# Allegro board FEE5_10_30.brd (continued)
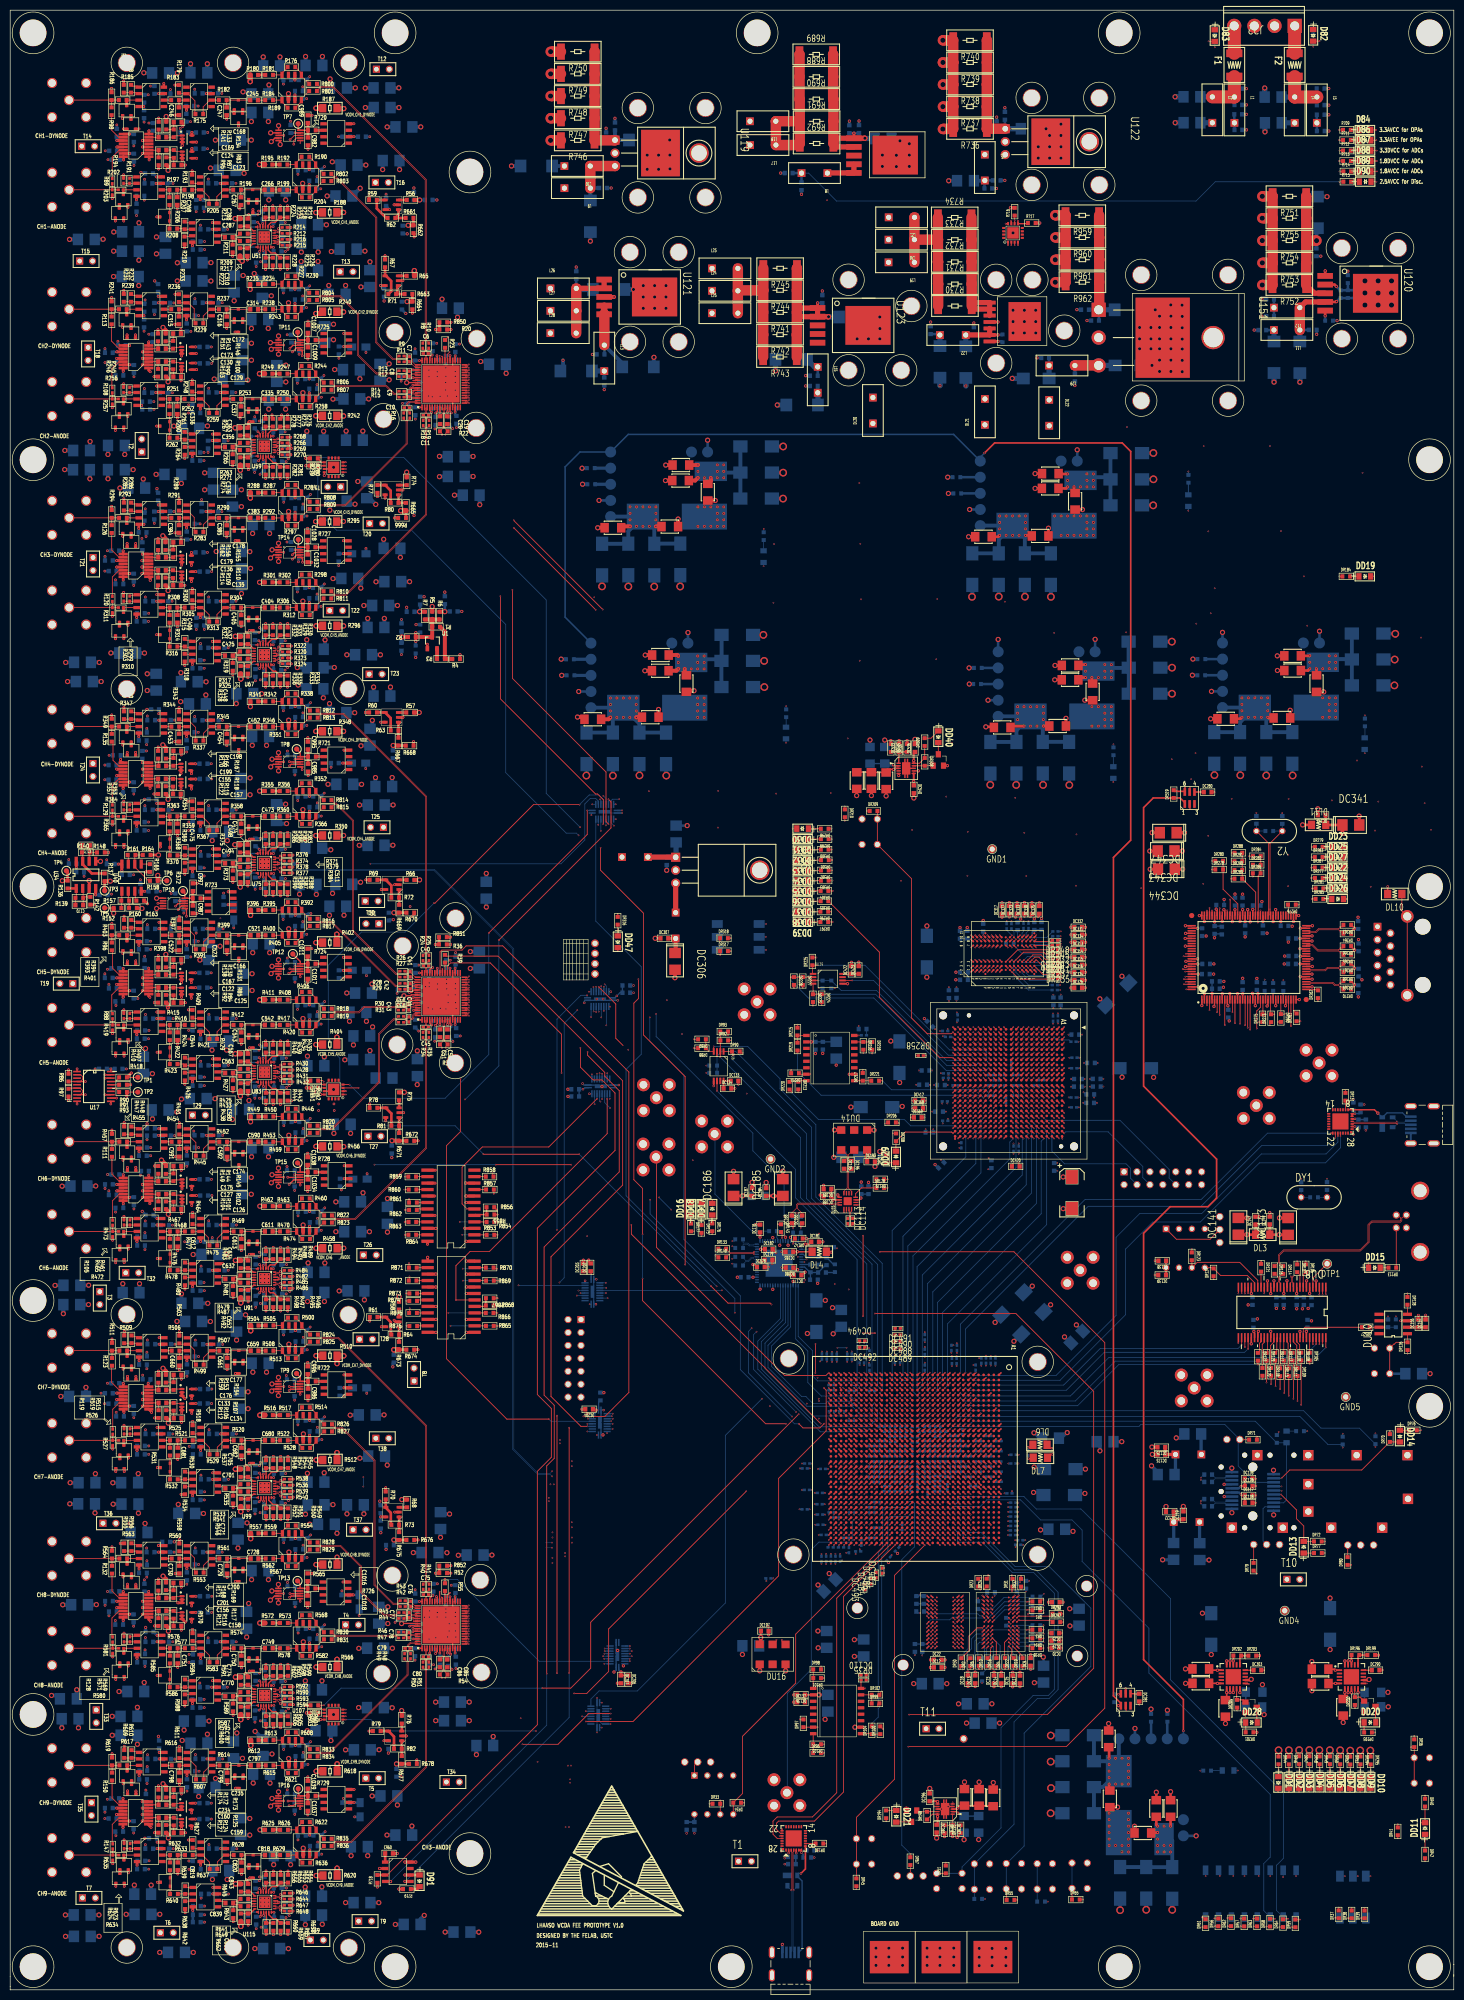
[diagram p0: board, top side]
## Footprints (pads in the part's own frame, mm; a bottom-side part is the same pattern mirrored in y, then rotated) (continued)
XO75L
  rect 1.6x1.499 smd: 1(-2.54,-1.956) 2(0,-1.956) 3(2.54,-1.956) 4(2.54,1.956) 5(0,1.956) 6(-2.54,1.956)
XTAL2-200A
  round 1.27 hole 0.813: 1(-2.54,0) 2(2.54,0)

## Nets
-5.2V: C924.2 C925.2 C928.2 L11.1 L12.1 R695.1 R696.1 U120.4(VOUT)
A7VCCADC: DC543.1 DC544.1 DL7.1 DU4.T18(VCCADC_0)
GND: C2.1 C3.1 C4.1 C5.1 C12.1 C15.1 C16.2 C17.2 C18.1 C21.2 C22.2 C23.1 C24.1 C25.1 C26.1 C27.1 C28.1 C29.1 C30.1 C31.1 C32.1 C33.1 C34.1 C35.1 C36.1 C37.2 C38.2 C39.2 C46.1 C49.1 C52.2 C53.2 C54.1 C55.2 C56.2 C57.1 C58.1 C59.1 C60.1 C61.1 C62.1 C63.1 C64.1 C65.1 C66.1 C67.1 C68.1 C69.1 C70.1 C71.2 C72.2 C73.2 C74.2 C81.1 C84.1 C87.2 C88.2 C89.1 C90.2 C91.2 C92.1 C93.1 C94.1 C95.1 C96.1 C97.1 C98.1 C99.1 C100.1 C101.1 C102.1 C103.1 C104.1 C105.1 C106.2 C107.2 C108.2 C109.2 C110.1 C111.1 C112.1 C113.1 C114.1 C115.1 C116.1 C117.1 C118.1 C119.1 C120.1 C121.1 C123.2 C125.2 C126.2 C128.2 C129.2 C131.2 C132.1 C134.2 C135.2 C137.1 C138.1 C139.1 C140.1 C141.1 C142.1 C143.1 C144.1 C145.1 C146.1 C147.1 C148.1 C149.1 C150.1 C151.1 C152.1 C153.1 C154.1 C157.2 C158.2 C159.2 C161.2 C162.2 C163.2 C164.1 C165.1 C166.2 C168.2 C172.2 C174.2 C177.2 C178.2 C180.1 C181.1 C182.1 C183.1 C184.1 C185.1 C186.1 C187.1 C188.1 C189.1 C190.1 C191.1 C192.1 C193.1 C194.1 C195.1 C196.1 C197.1 C198.2 C200.2 C202.1 C203.1 C204.1 C205.1 C206.1 C207.1 C208.1 C209.1 C210.1 C211.1 C212.1 C213.1 C215.1 C216.1 C217.1 C218.1 C219.1 C220.2 C221.2 C222.2 C223.1 C224.1 C225.1 C226.1 C227.1 C228.1 C229.1 C230.1 C231.1 C232.1 C233.1 C235.2 C236.1 C237.1 C238.1 C239.1 C240.1 C241.1 C242.1 C243.1 C244.1 C246.2 C247.2 C248.2 C249.2 C251.2 C252.2 C253.2 C255.2 C257.2 C258.2 C259.1 C260.2 C261.2 C263.2 C264.2 C267.2 C268.2 C269.2 C270.2 C272.2 C273.2 C275.2 C276.2 C278.2 C279.2 C281.2 C282.2 C284.2 C285.2 C288.1 C289.2 C291.2 C292.2 C293.2 C295.2 C296.2 C298.2 C299.2 C301.2 C302.2 C303.2 C304.2 C310.1 C311.2 C315.2 C316.2 C317.2 C318.2 C319.2 C320.2 C321.2 C322.2 C323.2 C324.2 C325.2 C326.2 C327.2 C328.2 C329.2 C330.1 C331.2 C332.2 C333.1 C334.1 C336.2 C337.2 C338.2 C339.2 C340.2 C341.2 C342.2 C343.2 C344.2 C345.2 C346.1 C347.2 C348.2 C349.1 C350.2 C351.2 C352.2 C353.2 C354.2 C355.1 C357.2 C358.2 C359.2 C360.2 C361.2 C362.2 C363.1 C364.2 C365.2 C366.1 C367.2 C368.2 C369.1 C370.2 C371.2 C372.2 C375.2 C376.1 C379.1 C380.2 C382.2 C384.2 C385.2 C386.2 C387.2 C388.2 C389.2 C390.2 C391.2 C392.2 C393.2 C394.2 C395.2 C396.2 C397.1 C398.2 C399.2 C400.1 C401.2 C402.2 C403.1 C405.2 C406.2 C407.2 C408.2 C409.2 C410.2 C411.2 C412.2 C413.2 C414.2 C415.1 C416.2 C417.2 C418.1 C419.2 C420.2 C421.2 C422.2 C423.2 C424.1 C426.2 C427.2 C428.2 C429.2 C430.2 C431.2 C432.1 C433.2 C434.2 C435.1 C436.2 C437.2 C438.1 C439.2 C440.2 C441.2 C444.2 C445.2 C447.1 C448.1 C449.2 C451.2 C453.2 C454.2 C455.2 C456.2 C457.2 C458.2 C459.2 C460.2 C461.2 C462.2 C463.2 C464.2 C465.2 C466.1 C467.2 C468.2 C469.2 C470.2 C471.1 C472.1 C474.2 C475.2 C476.2 C477.2 C478.2 C479.2 C480.2 C481.2 C482.2 C483.2 C484.1 C485.2 C486.2 C487.1 C488.2 C489.2 C490.2 C491.2 C492.2 C493.1 C495.2 C496.2 C497.2 C498.1 C499.2 C500.2 C501.2 C502.2 C503.2 C504.1 C505.2 C506.2 C507.1 C508.2 C509.2 C510.2 C511.1 C514.2 C515.2 C517.1 C518.2 C520.1 C522.2 C523.2 C524.2 C525.2 C526.2 C527.2 C528.2 C529.2 C530.2 C531.2 C532.2 C533.2 C534.2 C535.2 C536.2 C537.1 C538.2 C539.2 C540.1 C541.1 C543.2 C544.2 C545.2 C546.2 C547.2 C548.2 C549.2 C550.2 C551.2 C552.2 C553.1 C554.2 C555.2 C556.1 C557.2 C558.2 C559.2 C560.2 C561.2 C562.1 C564.2 C565.2 C566.2 C567.1 C568.2 C569.2 C570.1 C571.2 C572.2 C573.2 C574.2 C575.2 C576.1 C577.2 C578.2 C579.2 C580.1 C583.2 C585.2 C587.2 C589.2 C591.2 C592.2 C593.2 C594.2 C595.2 C596.2 C597.2 C598.2 C599.2 C600.2 C601.2 C602.2 C603.2 C604.1 C605.2 C606.2 C607.1 C608.2 C609.2 C610.1 C612.2 C613.2 C614.2 C615.2 C616.2 C617.2 C618.2 C619.2 C620.2 C621.2 C622.1 C623.2 C624.2 C625.1 C626.2 C627.2 C628.2 C629.2 C630.2 C631.1 C633.2 C634.1 C635.2 C636.2 C637.2 C638.2 C639.2 C640.2 C641.2 C642.1 C643.2 C644.2 C645.1 C646.2 C647.2 C648.2 C651.2 C652.1 C653.2 C654.2 C655.1 C656.2 C658.2 C660.2 C661.2 C662.2 C663.2 C664.2 C665.2 C666.2 C667.2 C668.2 C669.2 C670.2 C671.2 C672.2 C673.1 C674.2 C675.2 C676.1 C677.2 C678.2 C679.1 C681.2 C682.2 C683.2 C684.2 C685.2 C686.2 C687.2 C688.2 C689.2 C690.2 C691.1 C692.2 C693.2 C694.1 C695.2 C696.2 C697.2 C698.2 C699.2 C700.1 C702.2 C703.2 C704.2 C705.1 C706.2 C707.2 C708.2 C709.2 C710.2 C711.1 C712.2 C713.2 C714.1 C715.2 C716.2 C717.2 C720.2 C721.1 C722.2 C723.2 C724.1 C725.2 C727.2 C729.2 C730.2 C731.2 C732.2 C733.2 C734.2 C735.2 C736.2 C737.2 C738.2 C739.2 C740.2 C741.2 C742.1 C743.2 C744.2 C745.2 C746.2 C747.1 C748.1 C750.2 C751.2 C752.2 C753.2 C754.2 C755.2 C756.2 C757.2 C758.2 C759.2 C760.1 C761.2 C762.2 C763.1 C764.2 C765.2 C766.2 C767.2 C768.2 C769.1 C771.2 C772.2 C773.2 C774.1 C775.2 C776.2 C777.1 C778.2 C779.2 C780.2 C781.2 C782.2 C783.1 C784.2 C785.2 C786.2 C787.1 C790.2 C791.2 C792.2 C793.1 C794.2 C796.2 C798.2 C799.2 C800.2 C801.2 C802.2 C803.2 C804.2 C805.2 C806.2 C807.2 C808.2 C809.2 C810.2 C811.1 C812.2 C813.2 C814.2 C815.2 C816.1 C817.1 C819.2 C820.2 C821.2 C822.2 C823.2 C824.2 C825.2 C826.2 C827.2 C828.2 C829.1 C830.2 C831.2 C832.1 C833.2 C834.2 C835.2 C836.2 C837.2 C838.1 C840.2 C841.2 C842.2 C843.1 C844.2 C845.2 C846.2 C847.2 C848.2 C849.1 C850.2 C851.2 C852.1 C853.2 C854.2 C855.2 C856.1 C858.2 C859.2 C860.2 C861.2 C862.1 C863.2 C865.2 C866.1 C868.1 C870.1 C872.1 C874.1 C876.1 C878.1 C880.1 C882.1 C884.2 C885.2 C886.2 C887.2 C888.2 C889.2 C896.1 C897.2 C898.2 C899.1 C900.2 C901.2 C909.2 C910.1 C911.1 C912.2 C913.1 C914.1 C915.2 C916.2 C917.2 C918.2 C919.2 C920.2 C922.1 C923.1 C924.1 C925.1 C926.1 C927.1 C929.2 C930.2 C931.2 C932.2 C933.2 C934.2 C935.2 C936.2 C937.2 C938.1 C939.2 C940.1 C941.2 C942.2 C943.2 C944.2 C945.2 C946.2 C960.2 C962.2 C970.1 C971.1 C972.2 C973.1 C974.1 C975.1 C976.1 C977.2 C978.1 C979.1 C982.1 C983.2 C985.1 C986.1 C987.1 C988.2 C989.2 C990.2 C991.2 C992.2 C993.2 C994.2 C995.2 C996.2 C997.2 C998.1 C999.1 C1000.2 C1001.1 C1002.1 C1004.1 C1005.1 C1007.1 C1008.2 C1009.2 C1010.2 C1011.1 C1012.2 C1013.2 C1014.2 C1015.2 C1016.1 C1017.2 C1018.2 C1019.1 C1020.1 C1022.1 C1023.1 C1024.1 C1025.1 C1028.1 C1029.2 C1030.2 C1031.2 C1032.2 C1033.2 C1034.1 C1035.2 C1036.2 C1037.1 C1038.2 C1039.2 C1100.2 C1101.2 C1102.2 C1103.2 C1104.2 C1105.2 C1106.2 D1.1 D3.1 D3.2 D4.3 D5.2 D7.3 D8.1 D8.2 D9.3 D10.1 D12.1 D12.2 D13.3 D14.2 D16.1 D16.2 D17.3 D18.3 D19.1 D21.1 D21.2 D22.3 D23.2 D25.3 D26.1 D26.2 D27.3 D28.1 D30.1 D30.2 D31.3 D32.2 D34.3 D35.1 D35.2 D36.3 D37.1 D39.1 D39.2 D40.3 D41.2 D43.3 D44.1 D44.2 D45.3 D46.1 D48.1 D48.2 D49.3 D50.2 D52.1 D52.2 D53.3 D54.3 D55.1 D57.1 D57.2 D58.3 D59.2 D61.3 D62.1 D62.2 D63.3 D64.1 D66.1 D66.2 D67.3 D68.2 D70.3 D71.1 D71.2 D72.3 D73.1 D75.1 D75.2 D76.3 D77.2 D79.3 D80.1 D80.2 D81.3 D83.2(CATHODE) D84.2(CATHODE) D87.2(CATHODE) D88.2(CATHODE) D89.2(CATHODE) D90.2(CATHODE) DC1.1 DC2.1 DC3.1 DC4.1 DC5.1 DC6.2 DC7.1 DC8.1 DC9.1 DC10.1 DC11.2 DC12.1 DC13.1 DC14.1 DC15.1 DC16.2 DC17.1 DC18.1 DC19.1 DC20.1 DC21.2 DC22.1 DC23.1 DC24.1 DC25.1 DC26.2 DC27.1 DC28.2 DC29.2 DC30.2 DC31.2 DC32.2 DC33.2 DC34.2 DC35.2 DC36.2 DC37.2 DC38.2 DC39.2 DC40.2 DC41.2 DC42.2 DC43.2 DC44.2 DC45.2 DC46.2 DC47.2 DC48.2 DC49.2 DC50.2 DC51.2 DC52.2 DC53.2 DC54.2 DC55.2 DC56.2 DC57.2 DC58.2 DC59.2 DC60.2 DC61.2 DC62.2 DC63.2 DC64.2 DC65.2 DC66.2 DC67.2 DC68.2 DC69.2 DC70.2 DC71.2 DC72.2 DC73.2 DC74.2 DC75.2 DC76.2 DC77.2 DC78.2 DC79.2 DC80.2 DC81.2 DC82.2 DC83.2 DC84.2 DC85.2 DC86.2 DC87.2 DC88.2 DC89.2 DC90.2 DC91.2 DC92.2 DC93.2 DC94.2 DC95.2 DC96.2 DC97.2 DC98.2 DC99.2 DC100.2 DC101.2 DC102.2 DC103.2 DC104.2 DC105.2 DC106.2 DC107.2 DC108.2 DC109.2 DC110.2 DC117.2 DC118.2 DC119.2 DC120.2 DC121.2 DC122.2 DC123.2 DC124.2 DC125.2 DC126.2 DC127.2 DC128.2 DC133.2 DC134.2 DC135.2 DC136.2 DC137.1 DC138.2 DC139.2 DC140.1 DC141.2 DC142.2 DC143.2 DC144.2 DC145.1 DC146.2 DC147.2 DC148.2 DC149.2 DC150.2 DC151.2 DC152.2 DC153.2 DC154.2 DC155.2 DC156.2 DC157.2 DC158.2 DC159.2 DC160.1 DC161.1 DC162.1 DC163.1 DC164.2 DC165.2 DC170.1 DC174.2 DC175.2 DC176.2 DC177.2 DC178.2 DC179.2 DC180.2 DC181.2 DC182.2 DC183.2 DC184.2 DC185.2 DC186.2 DC187.2 DC188.2 DC189.2 DC190.2 DC191.2 DC192.2 DC193.2 DC194.2 DC197.2 DC198.2 DC199.2 DC200.2 DC201.2 DC202.2 DC203.2 DC204.2 DC205.2 DC206.2 DC207.2 DC208.2 DC209.2 DC210.2 DC211.2 DC212.2 DC213.2 DC214.2 DC215.2 DC216.2 DC217.2 DC218.2 DC219.2 DC220.2 DC222.2 DC223.2 DC224.2 DC225.2 DC226.2 DC227.2 DC228.2 DC229.2 DC230.2 DC231.2 DC232.2 DC233.2 DC234.2 DC235.2 DC236.2 DC237.2 DC238.2 DC239.2 DC240.2 DC241.2 DC242.2 DC243.2 DC244.2 DC245.2 DC246.2 DC247.2 DC248.2 DC249.2 DC250.2 DC251.2 DC252.2 DC253.2 DC254.2 DC255.2 DC256.2 DC257.2 DC258.2 DC259.2 DC260.2 DC261.2 DC262.2 DC263.2 DC264.2 DC265.2 DC266.2 DC267.2 DC268.2 DC269.2 DC270.2 DC271.2 DC272.2 DC273.2 DC274.2 DC275.2 DC276.2 DC277.2 DC278.2 DC279.2 DC280.2 DC281.2 DC282.2 DC283.2 DC284.2 DC285.2 DC286.2 DC287.2 DC288.2 DC289.2 DC290.2 DC291.2 DC292.2 DC293.2 DC294.2 DC295.2 DC296.2 DC297.2 DC298.2 DC299.2 DC300.2 DC301.2 DC302.2 DC303.2 DC304.1 DC305.2 DC306.2 DC307.1 DC308.2 DC309.2 DC310.2 DC311.1 DC312.2 DC313.2 DC314.2 DC315.2 DC316.2 DC317.2 DC318.2 DC319.2 DC320.2 DC321.2 DC322.2 DC323.2 DC324.2 DC325.2 DC326.2 DC327.2 DC328.2 DC329.2 DC330.2 DC331.2 DC332.2 DC333.2 DC334.2 DC335.1 DC336.1 DC337.1 DC338.1 DC339.1 DC340.1 DC341.2 DC342.2 DC343.2 DC344.2 DC345.2 DC346.2 DC347.2 DC348.2 DC349.2 DC350.1 DC351.1 DC352.1 DC353.1 DC354.1 DC355.1 DC356.1 DC357.1 DC358.1 DC359.1 DC360.1 DC361.1 DC362.1 DC363.1 DC364.1 DC365.1 DC366.1 DC367.1 DC368.1 DC369.1 DC370.1 DC371.1 DC372.1 DC373.1 DC374.1 DC375.1 DC376.1 DC377.1 DC378.2 DC379.2 DC380.1 DC381.1 DC382.1 DC383.1 DC384.1 DC385.1 DC386.1 DC387.1 DC388.2 DC389.1 DC390.1 DC391.1 DC392.1 DC393.1 DC394.2 DC395.1 DC396.1 DC397.1 DC398.1 DC399.1 DC400.1 DC401.1 DC402.1 DC403.1 DC404.1 DC405.1 DC406.1 DC407.1 DC408.1 DC409.1 DC410.1 DC411.1 DC412.1 DC413.1 DC414.1 DC415.1 DC416.1 DC417.1 DC418.1 DC419.1 DC420.1 DC421.1 DC422.2 DC423.2 DC424.2 DC425.2 DC426.2 DC427.2 DC428.2 DC429.2 DC430.2 DC431.2 DC432.2 DC433.2 DC434.2 DC435.2 DC436.2 DC437.2 DC438.2 DC439.2 DC440.2 DC441.2 DC442.2 DC443.2 DC444.2 DC445.2 DC446.2 DC447.2 DC448.2 DC449.2 DC450.2 DC451.2 DC452.2 DC453.2 DC454.2 DC455.2 DC456.2 DC457.2 DC458.2 DC459.2 DC460.2 DC461.2 DC462.2 DC463.2 DC464.2 DC465.2 DC466.2 DC467.2 DC468.2 DC469.2 DC470.2 DC471.2 DC472.2 DC473.2 DC474.2 DC475.2 DC476.2 DC477.2 DC478.2 DC479.2 DC480.2 DC481.2 DC482.2 DC483.2 DC484.2 DC485.2 DC486.2 DC487.2 DC488.2 DC489.2 DC490.2 DC491.2 DC492.2 DC493.2 DC494.2 DC495.2 DC496.2 DC497.2 DC498.2 DC499.2 DC500.2 DC501.2 DC502.2 DC503.2 DC504.2 DC505.2 DC506.2 DC507.2 DC508.2 DC509.2 DC510.2 DC511.2 DC512.2 DC513.2 DC514.2 DC515.2 DC516.2 DC517.2 DC518.2 DC519.2 DC520.2 DC521.2 DC522.2 DC523.2 DC524.2 DC525.2 DC526.2 DC527.2 DC528.2 DC529.2 DC530.2 DC531.1 DC532.1 DC533.2 DC534.2 DC535.2 DC536.2 DC537.2 DC538.2 DC539.2 DC540.2 DC541.2 DC542.2 DD1.2(CATHODE) DD2.2(CATHODE) DD3.2(CATHODE) DD4.2(CATHODE) DD5.2(CATHODE) DD6.2(CATHODE) DD7.2(CATHODE) DD8.2(CATHODE) DD9.2(CATHODE) DD10.2(CATHODE) DD15.1(ANODE) DD19.2(ANODE) DD30.2(CATHODE) DD31.2(CATHODE) DD32.2(CATHODE) DD33.2(CATHODE) DD34.2(CATHODE) DD35.2(CATHODE) DD36.2(CATHODE) DD37.2(CATHODE) DD38.2(CATHODE) DD39.2(CATHODE) DD41.2(ANODE) DD42.2(ANODE) DD43.2(ANODE) DD44.2(ANODE) DD45.2(ANODE) DD46.2(ANODE) DD47.2(ANODE) DJ1.1 DJ2.1 DJ2.3 DJ2.5 DJ2.7 DJ2.9 DJ2.11 DJ2.13 DJ3.1 DJ4.2 DJ5.3 DJ6.3 DJ8.4 DJ8.5 DJ8.6 DJ9.1 DJ10.5(GND) DJ10.6(SHLD1) DJ10.7(SHLD2) DJ10.8(SHLD3) DJ10.9(SHLD4) DJ11.5(GND) DJ11.6(SHLD1) DJ11.7(SHLD2) DJ11.8(SHLD3) DJ11.9(SHLD4) DJ12.2(GND1) DJ12.3(GND2) DJ12.4(GND3) DJ12.5(GND4) DJ14.1 DJ14.3 DJ14.5 DJ14.7 DJ14.9 DJ14.11 DJ14.13 DJ15.2(GND1) DJ15.3(GND2) DJ15.4(GND3) DJ15.5(GND4) DJ16.2(GND1) DJ16.3(GND2) DJ16.4(GND3) DJ16.5(GND4) DJ17.2(GND1) DJ17.3(GND2) DJ17.4(GND3) DJ17.5(GND4) DJ18.2(GND1) DJ18.3(GND2) DJ18.4(GND3) DJ18.5(GND4) DJ19.2(GND1) DJ19.3(GND2) DJ19.4(GND3) DJ19.5(GND4) DJ20.2(GND1) DJ20.3(GND2) DJ20.4(GND3) DJ20.5(GND4) DJ21.2(GND1) DJ21.3(GND2) DJ21.4(GND3) DJ21.5(GND4) DJ22.2(GND1) DJ22.3(GND2) DJ22.4(GND3) DJ22.5(GND4) DL6.1 DL10.1 DR23.2 DR24.2 DR26.1 DR27.1 DR28.1 DR29.1 DR30.1 DR31.2 DR32.2 DR37.2 DR38.2 DR39.2 DR42.2 DR45.2 DR51.2 DR54.2 DR55.2 DR56.1 DR57.1 DR58.1 DR59.1 DR60.2 DR61.1 DR62.1 DR63.1 DR64.1 DR65.2 DR88.2 DR90.2 DR92.2 DR94.2 DR121.1 DR129.2 DR142.1 DR143.1 DR179.1 DR182.2 DR183.2 DR187.2 DR188.2 DR191.2 DR192.2 DR197.2 DR199.2 DR203.2 DR205.1 DR211.2 DR223.2 DR225.2 DR227.2 DR229.2 DR231.1 DR254.1 DR255.1 DR256.1 DR257.1 DR258.2 DR261.1 DR262.1 DR272.1 DR273.1 DR274.1 DR275.1 DR276.1 DR280.1 DR286.1 DR291.1 DR292.2 DR293.2 DR307.2 DR317.2 DR318.2 DSW2.3 DSW2.4 DSW10.1 DSW10.2 DSW12.1 DSW12.2 DTC221.2 DU1.A1(VSS1) DU1.A8(VSS2) DU1.B1(VSS3) DU1.B2(VSSQ1) DU1.B8(VSSQ2) DU1.C9(VSSQ3) DU1.D1(VSSQ4) DU1.D8(VSS4) DU1.D9(VSSQ5) DU1.F2(VSS5) DU1.F8(VSS6) DU1.J1(VSS7) DU1.J9(VSS8) DU1.L1(VSS9) DU1.L9(VSS10) DU1.N1(VSS11) DU1.N9(VSS12) DU2.A1(VSS1) DU2.A8(VSS2) DU2.B1(VSS3) DU2.B2(VSSQ1) DU2.B8(VSSQ2) DU2.C9(VSSQ3) DU2.D1(VSSQ4) DU2.D8(VSS4) DU2.D9(VSSQ5) DU2.F2(VSS5) DU2.F8(VSS6) DU2.J1(VSS7) DU2.J9(VSS8) DU2.L1(VSS9) DU2.L9(VSS10) DU2.N1(VSS11) DU2.N9(VSS12) DU3.2(A1) DU3.3(A2) DU3.4(VSS) DU3.7(WP) DU4.A1(GND1) DU4.A11(GND2) DU4.A12(GND3) DU4.A14(GND4) DU4.A16(GND5) DU4.A18(GND6) DU4.A20(GND7) DU4.A22(GND8) DU4.A24(GND9) DU4.A26(GND10) DU4.AA1(GND150) DU4.AA11(GND151) DU4.AA12(GND152) DU4.AA14(GND153) DU4.AA16(GND154) DU4.AA18(GND155) DU4.AA20(GND156) DU4.AA22(GND157) DU4.AA26(GND158) DU4.AB8(GND159) DU4.AB13(GND160) DU4.AB15(GND161) DU4.AB17(GND162) DU4.AB19(GND163) DU4.AB21(GND164) DU4.AB23(GND165) DU4.AB33(GND166) DU4.AC5(GND167) DU4.AC12(GND168) DU4.AC14(GND169) DU4.AC16(GND170) DU4.AC18(GND171) DU4.AC20(GND172) DU4.AC22(GND173) DU4.AC30(GND174) DU4.AD2(GND175) DU4.AD15(GND176) DU4.AD17(GND177) DU4.AD19(GND178) DU4.AD21(GND179) DU4.AD27(GND180) DU4.AE9(GND181) DU4.AE16(GND182) DU4.AE18(GND183) DU4.AE20(GND184) DU4.AE22(GND185) DU4.AE24(GND186) DU4.AE34(GND187) DU4.AF6(GND188) DU4.AF13(GND189) DU4.AF14(GND190) DU4.AF15(GND191) DU4.AF16(GND192) DU4.AF17(GND193) DU4.AF18(GND194) DU4.AF19(GND195) DU4.AF20(GND196) DU4.AF21(GND197) DU4.AF22(GND198) DU4.AF31(GND199) DU4.AG3(GND200) DU4.AG13(GND201) DU4.AG15(MGTAVCC_G10_1) DU4.AG17(MGTAVCC_G10_2) DU4.AG19(MGTAVCC_G10_3) DU4.AG21(MGTAVCC_G10_4) DU4.AG22(GND202) DU4.AG23(GND203) DU4.AG28(GND204) DU4.AH10(GND205) DU4.AH12(GND206) DU4.AH13(GND207) DU4.AH15(GND208) DU4.AH17(GND209) DU4.AH19(GND210) DU4.AH21(GND211) DU4.AH22(MGTRREF_213) DU4.AH23(GND212) DU4.AH25(GND213) DU4.AJ7(GND214) DU4.AJ12(GND215) DU4.AJ13(MGTPRXP3_113) DU4.AJ14(MGTAVCC_G10_5) DU4.AJ15(MGTPRXP2_113) DU4.AJ16(MGTAVCC_G10_6) DU4.AJ17(MGTPRXP0_113) DU4.AJ18(MGTAVCC_G10_7) DU4.AJ19(MGTPRXP1_213) DU4.AJ20(MGTAVCC_G10_8) DU4.AJ21(MGTPRXP3_213) DU4.AJ22(MGTAVTT_G10_1) DU4.AJ23(GND216) DU4.AJ32(GND217) DU4.AK4(GND218) DU4.AK12(GND219) DU4.AK13(MGTPRXN3_113) DU4.AK14(GND220) DU4.AK15(MGTPRXN2_113) DU4.AK16(GND221) DU4.AK17(MGTPRXN0_113) DU4.AK18(GND222) DU4.AK19(MGTPRXN1_213) DU4.AK20(GND223) DU4.AK21(MGTPRXN3_213) DU4.AK22(GND224) DU4.AK23(GND225) DU4.AK24(GND226) DU4.AK29(GND227) DU4.AL1(GND228) DU4.AL11(GND229) DU4.AL12(GND230) DU4.AL13(MGTAVTT_G10_2) DU4.AL15(MGTAVTT_G10_3) DU4.AL16(MGTPRXP1_113) DU4.AL17(MGTAVTT_G10_4) DU4.AL18(MGTPRXP0_213) DU4.AL19(MGTAVTT_G10_5) DU4.AL20(MGTPRXP2_213) DU4.AL21(MGTAVTT_G10_6) DU4.AL23(GND231) DU4.AL26(GND232) DU4.AM8(GND233) DU4.AM12(GND234) DU4.AM13(GND235) DU4.AM15(GND236) DU4.AM16(MGTPRXN1_113) DU4.AM17(GND237) DU4.AM18(MGTPRXN0_213) DU4.AM19(GND238) DU4.AM20(MGTPRXN2_213) DU4.AM21(GND239) DU4.AM23(GND240) DU4.AM24(GND241) DU4.AM33(GND242) DU4.AN5(GND243) DU4.AN12(GND244) DU4.AN14(MGTAVTT_G10_7) DU4.AN16(MGTAVTT_G10_8) DU4.AN18(MGTAVTT_G10_9) DU4.AN20(MGTAVTT_G10_10) DU4.AN22(MGTAVTT_G10_11) DU4.AN24(GND245) DU4.AN30(GND246) DU4.AP2(GND247) DU4.AP12(GND248) DU4.AP14(GND249) DU4.AP16(GND250) DU4.AP18(GND251) DU4.AP20(GND252) DU4.AP22(GND253) DU4.AP24(GND254) DU4.AP27(GND255) DU4.B8(GND11) DU4.B12(GND12) DU4.B24(GND13) DU4.B33(GND14) DU4.C5(GND15) DU4.C12(GND16) DU4.C13(GND17) DU4.C15(GND18) DU4.C16(MGTPRXN2_116) DU4.C17(GND19) DU4.C18(MGTPRXN3_216) DU4.C19(GND20) DU4.C21(GND21) DU4.C23(GND22) DU4.C24(GND23) DU4.C30(GND24) DU4.D2(GND25) DU4.D12(GND26) DU4.D16(MGTPRXP2_116) DU4.D18(MGTPRXP3_216) DU4.D23(GND27) DU4.D27(GND28) DU4.E9(GND29) DU4.E12(GND30) DU4.E13(MGTPRXN0_116) DU4.E14(GND31) DU4.E15(MGTPRXN1_116) DU4.E16(GND32) DU4.E17(MGTPRXN3_116) DU4.E18(GND33) DU4.E19(MGTPRXN2_216) DU4.E20(GND34) DU4.E22(GND35) DU4.E23(GND36) DU4.E24(GND37) DU4.E34(GND38) DU4.F6(GND39) DU4.F12(GND40) DU4.F13(MGTPRXP0_116) DU4.F15(MGTPRXP1_116) DU4.F17(MGTPRXP3_116) DU4.F19(MGTPRXP2_216) DU4.F23(GND41) DU4.F31(GND42) DU4.G3(GND43) DU4.G12(GND44) DU4.G13(GND45) DU4.G15(GND46) DU4.G17(GND47) DU4.G19(GND48) DU4.G21(GND49) DU4.G23(GND50) DU4.G28(GND51) DU4.H10(GND52) DU4.H13(GND53) DU4.H22(GND54) DU4.H23(GND55) DU4.H25(GND56) DU4.J7(GND57) DU4.J13(GND58) DU4.J14(GND59) DU4.J15(GND60) DU4.J16(GND61) DU4.J17(GND62) DU4.J18(GND63) DU4.J19(GND64) DU4.J20(GND65) DU4.J21(GND66) DU4.J22(GND67) DU4.J32(GND68) DU4.K4(GND69) DU4.K13(VCCBATT_0) DU4.K15(GND70) DU4.K17(GND71) DU4.K19(GND72) DU4.K29(GND73) DU4.L1(GND74) DU4.L11(GND75) DU4.L14(GND76) DU4.L16(GND77) DU4.L18(GND78) DU4.L20(GND79) DU4.L26(GND80) DU4.M8(GND81) DU4.M13(GND82) DU4.M15(GND83) DU4.M17(GND84) DU4.M19(GND85) DU4.M21(GND86) DU4.M23(GND87) DU4.M33(GND88) DU4.N5(GND89) DU4.N12(GND90) DU4.N14(GND91) DU4.N16(GND92) DU4.N18(GND93) DU4.N20(GND94) DU4.N22(GND95) DU4.N30(GND96) DU4.P2(GND97) DU4.P13(GND98) DU4.P15(GND99) DU4.P17(GND100) DU4.P19(GND101) DU4.P21(GND102) DU4.P23(GND103) DU4.P27(GND104) DU4.R9(GND105) DU4.R12(GND106) DU4.R14(GND107) DU4.R16(GND108) DU4.R18(GND109) DU4.R20(GND110) DU4.R22(GND111) DU4.R24(GND112) DU4.R34(GND113) DU4.T6(GND114) DU4.T13(GND115) DU4.T15(GND116) DU4.T19(GND117) DU4.T21(GND118) DU4.T23(GND119) DU4.T31(GND120) DU4.U3(GND121) DU4.U12(GND122) DU4.U14(GND123) DU4.U16(GND124) DU4.U18(VP_0) DU4.U20(GND125) DU4.U22(GND126) DU4.U28(GND127) DU4.V10(GND128) DU4.V13(GND129) DU4.V15(GND130) DU4.V17(VN_0) DU4.V19(GND131) DU4.V21(GND132) DU4.V23(GND133) DU4.V25(GND134) DU4.W7(GND135) DU4.W12(GND136) DU4.W14(GND137) DU4.W16(GND138) DU4.W17(DXN_0) DU4.W18(DXP_0) DU4.W20(GND139) DU4.W22(GND140) DU4.W32(GND141) DU4.Y4(GND142) DU4.Y13(GND143) DU4.Y15(GND144) DU4.Y17(GND145) DU4.Y19(GND146) DU4.Y21(GND147) DU4.Y23(GND148) DU4.Y29(GND149) DU5.1(VEET_1) DU5.10(VEER_1) DU5.11(VEER_2) DU5.14(VEER_3) DU5.17(VEET_2) DU5.20(VEET_3) DU5.23(GND3) DU5.24(GND4) DU5.26(GND6) DU5.29(GND9) DU5.34(GND14) DU5.37(GND17) DU5.38(GND18) DU5.39(GND19) DU5.40(GND20) DU5.41(GND21) DU5.42(GND22) DU6.5(GND) DU7.10(VSS) DU8.4(GND) DU8.7(GND2) DU8.13(AGND1) DU8.17(AGND2) DU8.19(GND3) DU8.33(GND4) DU8.35(GND5) DU8.48(GND6) DU9.2(A1) DU9.3(A2) DU9.4(VSS) DU9.7(WP) DU10.3(GND) DU11.2(GND1) DU11.29(SGND1) DU11.30(SGND2) DU12.2(GND1) DU12.29(SGND1) DU12.30(SGND2) DU13.19(GND1) DU13.59(GND2) DU13.65(GND3) DU14.3(GND) DU15.13(GND) DU15.17(GND2) DU16.3(GND) DU17.1(1/OE) DU17.10(GND1) DU17.19(2/OE) DU17.21(GND2) DU20.1(1/OE) DU20.10(GND1) DU20.19(2/OE) DU20.21(GND2) DU21.1(1/OE) DU21.10(GND1) DU21.19(2/OE) DU21.21(GND2) DU24.1(1/OE) DU24.10(GND1) DU24.19(2/OE) DU24.21(GND2) DU25.1(SYNC) DU25.3(GND#3) DU25.4(GND#4) DU25.7(-SENCE) DU26.1(SYNC) DU26.3(GND#3) DU26.4(GND#4) DU26.7(-SENCE) DU27.1(SYNC) DU27.3(GND#3) DU27.4(GND#4) DU27.7(-SENCE) DU28.1(SYNC) DU28.3(GND#3) DU28.4(GND#4) DU28.7(-SENCE) DU29.1(SYNC) DU29.3(GND#3) DU29.4(GND#4) DU29.7(-SENCE) DU30.1(SYNC) DU30.3(GND#3) DU30.4(GND#4) DU30.7(-SENCE) DU31.2(GND) DU32.2(GND) DU33.12(GND) DU33.21(GND2) DU34.4(PGND) DU34.8(GND) DU34.11(PWRPAD) DU35.12(GND) DU35.21(GND2) DU36.2(GND) DU36.4(BND) DU37.A1(GND _A1) DU37.A7(MGTAVTTTX_101 _A7) DU37.A9(GND _A9) DU37.A10(MGTREFCLK0P_101 _A10) DU37.A11(GND _A11) DU37.A12(MGTREFCLK0P_123 _A12) DU37.A13(GND _A13) DU37.A15(MGTAVTTTX_123 _A15) DU37.A22(GND _A22) DU37.AA5(GND _AA5) DU37.AA9(GND _AA9) DU37.AA13(GND _AA13) DU37.AA17(GND _AA17) DU37.AA22(SUSPEND _AA22) DU37.AB1(GND _AB1) DU37.AB22(GND _AB22) DU37.B5(GND _B5) DU37.B7(GND _B7) DU37.B9(MGTAVCCPLL0_101 _B9) DU37.B10(MGTREFCLK0N_101 _B10) DU37.B11(GND _B11) DU37.B12(MGTREFCLK0N_123 _B12) DU37.B13(MGTAVCCPLL0_123 _B13) DU37.B15(GND _B15) DU37.B17(GND _B17) DU37.C6(GND _C6) DU37.C7(MGTRXN0_101 _C7) DU37.C8(GND _C8) DU37.C9(MGTRXN1_101 _C9) DU37.C10(MGTAVCC_101 _C10) DU37.C11(MGTREFCLK1P_101 _C11) DU37.C12(GND _C12) DU37.C13(MGTRXN0_123 _C13) DU37.C14(GND _C14) DU37.C15(MGTRXN1_123 _C15) DU37.C16(GND _C16) DU37.D6(GND _D6) DU37.D7(MGTRXP0_101 _D7) DU37.D8(MGTAVTTRX_101 _D8) DU37.D9(MGTRXP1_101 _D9) DU37.D10(GND _D10) DU37.D11(MGTREFCLK1N_101 _D11) DU37.D12(MGTAVCCPLL1_101 _D12) DU37.D13(MGTRXP0_123 _D13) DU37.D14(MGTAVTTRX_123 _D14) DU37.D15(MGTRXP1_123 _D15) DU37.D16(GND _D16) DU37.E2(GND _E2) DU37.E7(GND _E7) DU37.E8(MGTAVTTRCAL_101 _E8) DU37.E9(MGTRREF_101 _E9) DU37.E10(MGTAVCC_123 _E10) DU37.E11(GND _E11) DU37.E12(MGTREFCLK1P_123 _E12) DU37.E13(MGTAVCCPLL1_123 _E13) DU37.E14(GND _E14) DU37.E15(GND _E15) DU37.E21(GND _E21) DU37.F12(MGTREFCLK1N_123 _F12) DU37.F13(GND _F13) DU37.G5(GND _G5) DU37.G18(GND _G18) DU37.H7(GND _H7) DU37.J2(GND _J2) DU37.J9(GND _J9) DU37.J11(GND _J11) DU37.J13(GND _J13) DU37.J15(GND _J15) DU37.J21(GND _J21) DU37.K10(GND _K10) DU37.K12(GND _K12) DU37.K14(GND _K14) DU37.L5(GND _L5) DU37.L9(GND _L9) DU37.L11(GND _L11) DU37.L13(GND _L13) DU37.L18(GND _L18) DU37.M10(GND _M10) DU37.M12(GND _M12) DU37.M14(GND _M14) DU37.N2(GND _N2) DU37.N9(GND _N9) DU37.N11(GND _N11) DU37.N13(GND _N13) DU37.N17(GND _N17) DU37.N21(GND _N21) DU37.P10(GND _P10) DU37.P12(GND _P12) DU37.P14(GND _P14) DU37.P15(NC_P15) DU37.R5(GND _R5) DU37.R18(GND _R18) DU37.T16(NC_T16) DU37.U2(GND _U2) DU37.U7(GND _U7) DU37.U17(NC_U17) DU37.U21(GND _U21) DU37.V4(GND _V4) DU37.V10(GND _V10) DU37.V14(GND _V14) DU37.W7(GND _W7) DU37.W16(GND _W16) DU37.W19(GND _W19) DU38.10(VSS) DU39.5(GND) DU40.A9(VSS1) DU40.B1(VSSQ1) DU40.B3(VSS2) DU40.B9(VSSQ2) DU40.D1(VSSQ3) DU40.D8(VSSQ4) DU40.E1(VSS3) DU40.E2(VSSQ5) DU40.E8(VSSQ6) DU40.F9(VSSQ7) DU40.G1(VSSQ8) DU40.G8(VSS4) DU40.G9(VSSQ9) DU40.J2(VSS5) DU40.J8(VSS6) DU40.M1(VSS7) DU40.M9(VSS8) DU40.P1(VSS9) DU40.P9(VSS10) DU40.T1(VSS11) DU40.T9(VSS12) DU41.1(VSS_1) DU41.9(VSS_9) DU41.15(VSS_15) DU41.21(VSS_21) DU41.22(VSS_22) DU41.38(VSS_38) DU41.40(VSS_40) DU41.43(VSS_43) DU41.45(VSS_45) DU41.48(VSS_48) DU41.51(VSS_51) DU41.55(VSS_55) DU41.58(VSS_58) DU41.60(VSS_60) DU41.63(VSS_63) DU41.65(VSS_65) DU41.66(VSS_66) DU41.74(VSS_74) DU41.83(VSS_83) DU41.84(VSS_84) DU41.87(CONFIG1) DU41.93(VSS_93) DU41.94(VSS_94) DU41.101(VSS_101) DU41.102(VSS_102) DU41.103(VSS_103) DU41.106(VSS_106) DU41.108(VSS_108) DU41.111(VSS_111) DU41.116(VSS_116) DU41.119(VSS_119) DU41.127(VSS_127) DU42.10(GND) DU43.4(PGND) DU43.8(GND) DU43.11(PWRPAD) DU44.1(1/OE) DU44.10(GND1) DU44.19(2/OE) DU44.21(GND2) DU45.1(1/OE) DU45.10(GND1) DU45.19(2/OE) DU45.21(GND2) DU46.1(1/OE) DU46.10(GND1) DU46.19(2/OE) DU46.21(GND2) DX1.1 DX2.1 G1.1(GND) G2.1(GND) G3.1(GND) GND1.1(TP) GND2.1(TP) GND3.1(TP) GND4.1(TP) GND5.1(TP) J4.2(GND1) J4.3(GND2) J4.4(GND3) J4.5(GND4) J5.2(GND1) J5.3(GND2) J5.4(GND3) J5.5(GND4) J6.2(GND1) J6.3(GND2) J6.4(GND3) J6.5(GND4) J7.2(GND1) J7.3(GND2) J7.4(GND3) J7.5(GND4) J8.2(GND1) J8.3(GND2) J8.4(GND3) J8.5(GND4) J9.2(GND1) J9.3(GND2) J9.4(GND3) J9.5(GND4) J10.2(GND1) J10.3(GND2) J10.4(GND3) J10.5(GND4) J11.2(GND1) J11.3(GND2) J11.4(GND3) J11.5(GND4) J12.2(GND1) J12.3(GND2) J12.4(GND3) J12.5(GND4) J13.2(GND1) J13.3(GND2) J13.4(GND3) J13.5(GND4) J14.2(GND1) J14.3(GND2) J14.4(GND3) J14.5(GND4) J15.2(GND1) J15.3(GND2) J15.4(GND3) J15.5(GND4) J16.2(GND1) J16.3(GND2) J16.4(GND3) J16.5(GND4) J17.2(GND1) J17.3(GND2) J17.4(GND3) J17.5(GND4) J18.2(GND1) J18.3(GND2) J18.4(GND3) J18.5(GND4) J19.2(GND1) J19.3(GND2) J19.4(GND3) J19.5(GND4) J20.2(GND1) J20.3(GND2) J20.4(GND3) J20.5(GND4) J21.2(GND1) J21.3(GND2) J21.4(GND3) J21.5(GND4) J22.2 J22.3 Q1.2(SOURCE) Q2.2(SOURCE) Q3.2(SOURCE) Q5.2(SOURCE) R4.1 R21.1 R37.1 R53.1 R59.1 R60.1 R61.1 R67.1 R69.1 R70.1 R77.1 R78.1 R79.1 R86.2 R91.2 R92.1 R95.1 R97.1 R103.1 R104.1 R112.1 R114.1 R121.1 R122.1 R127.1 R138.1 R141.1 R142.1 R148.1 R149.1 R151.1 R159.1 R162.1 R163.1 R165.1 R170.1 R171.1 R174.1 R177.1 R179.1 R186.2 R193.1 R194.1 R203.2 R210.2 R211.1 R212.1 R214.2 R215.1 R216.2 R219.1 R224.1 R226.1 R228.1 R231.1 R233.1 R241.2 R246.1 R248.1 R257.2 R264.2 R265.1 R266.1 R268.2 R269.1 R270.2 R276.1 R278.1 R280.1 R282.1 R285.1 R289.1 R294.2 R300.1 R303.1 R311.2 R318.2 R319.1 R320.1 R322.2 R323.1 R324.2 R330.1 R332.1 R334.1 R336.1 R339.1 R343.1 R349.2 R354.1 R357.1 R365.2 R372.2 R373.1 R374.1 R376.2 R377.1 R378.2 R383.1 R386.1 R388.1 R390.1 R393.1 R397.1 R403.2 R409.1 R410.1 R419.2 R426.2 R427.1 R428.1 R430.2 R431.1 R432.2 R435.1 R440.1 R442.1 R444.1 R447.1 R451.1 R457.2 R464.1 R465.1 R473.2 R480.2 R481.1 R482.1 R484.2 R485.1 R486.2 R489.1 R494.1 R496.1 R498.1 R501.1 R503.1 R511.2 R518.1 R519.1 R527.2 R534.2 R535.1 R536.1 R538.2 R539.1 R540.2 R545.1 R548.1 R550.1 R552.1 R555.1 R558.1 R564.2 R570.1 R571.1 R581.2 R588.2 R589.1 R590.1 R592.2 R593.1 R594.2 R599.1 R602.1 R604.1 R606.1 R609.1 R611.1 R619.2 R624.1 R627.1 R635.2 R642.2 R643.1 R644.1 R646.2 R647.1 R648.2 R654.1 R656.1 R658.1 R660.1 R662.2 R664.2 R666.2 R668.2 R670.2 R672.2 R674.2 R676.2 R678.2 R693.2 R694.2 R707.1 R711.1 R850.2 R851.2 R852.2 R856.1 R868.1 T1.1 T2.1 T3.1 T4.1 T5.1 T6.1 T7.1 T8.1 T9.1 T10.1 T11.1 T12.1 T13.1 T14.1 T15.1 T16.1 T17.1 T18.1 T19.1 T20.1 T21.1 T22.1 T23.1 T24.1 T25.1 T26.1 T27.1 T28.1 T29.1 T30.1 T31.1 T32.1 T33.1 T34.1 T35.1 T36.1 T37.1 T38.1 T39.1 U1.2(V-) U2.13(DRGND_1) U2.36(DRGND_2) U2.65(AGND) U3.13(DRGND_1) U3.36(DRGND_2) U3.65(AGND) U4.13(DRGND_1) U4.36(DRGND_2) U4.65(AGND) U5.2(V-) U6.2(V-) U7.2(V-) U8.2(V-) U9.2(V-) U10.2(V-) U11.2(V-) U12.2(V-) U13.2(V-) U14.2(DGND) U14.4(AGND1) U14.6(AGND2) U15.2(B) U15.3(GND) U16.2(B) U16.3(GND) U17.1(1/OE) U17.10(GND) U17.11(2A1) U17.13(2A2) U17.19(2/OE) U18.2(DGND) U18.4(AGND1) U18.6(AGND2) U19.2(B) U19.3(GND) U20.2(B) U20.3(GND) U21.2(B) U21.3(GND) U22.2(DGND) U22.4(AGND1) U22.6(AGND2) U23.2(DGND) U23.4(AGND1) U23.6(AGND2) U24.2(B) U24.3(GND) U25.2(B) U25.3(GND) U26.2(DGND) U26.4(AGND1) U26.6(AGND2) U27.2(B) U27.3(GND) U28.2(DGND) U28.4(AGND1) U28.6(AGND2) U29.2(B) U29.3(GND) U30.2(DGND) U30.4(AGND1) U30.6(AGND2) U31.2(DGND) U31.4(AGND1) U31.6(AGND2) U32.2(B) U32.3(GND) U33.2(B) U33.3(GND) U35.2(B) U35.3(GND) U36.2(DGND) U36.4(AGND1) U36.6(AGND2) U37.2(B) U37.3(GND) U38.2(B) U38.3(GND) U39.2(B) U39.3(GND) U41.2(B) U41.3(GND) U42.2(B) U42.3(GND) U43.2(B) U43.3(GND) U118.3(GND) U118.6(TAB) U119.2(GND) U119.4(BND) U119.5(TAB) U120.1(GND) U121.3(GND) U121.6(NC) U122.2(GND) U122.4(BND) U122.5(TAB) U123.3(GND) U123.6(NC) U125.11(GND) U125.17(EPAD(GND)) U126.2(VSS) U127.4(GND) U128.3(GND) U129.3(GND) U130.3(GND) U131.3(GND) U132.4(GND) U133.4(GND) U134.4(GND) U135.4(GND) U136.3(GND) U137.3(GND) U138.3(GND) U139.4(GND) U140.4(GND) U141.4(GND) U142.3(GND) U143.3(GND) U144.3(GND) U145.4(GND) U146.4(GND) U147.4(GND) U148.1(GND1) U148.7(P0) U148.8(P1) U148.12(GND2) U148.13(GND5) U148.17(GND4) U148.20(GND3) U148.24(GND) U149.1(GND1) U149.7(P0) U149.8(P1) U149.12(GND2) U149.13(GND5) U149.17(GND4) U149.20(GND3) U149.24(GND) U150.4(GND) U150.8(TAB) U151.2(GND) U151.4(THERMAL) U151.5(NC) U152.11(GND) U152.17(EPAD(GND)) U153.11(GND) U153.17(EPAD(GND)) U154.11(GND) U154.17(EPAD(GND))